# Altium PCB PCB1.PcbDoc (part 2 of 2)
Units mil, origin at the board's own origin, x right, y up, seen from the top; angles counter-clockwise.
Board outline 3937.01 x 3937.01 mil, 4 copper layers (Top Layer, Layer 1, Layer 2, Bottom Layer), stack 23.756 mil thick; 233 components, 112 nets, 705 pads, 549 vias.
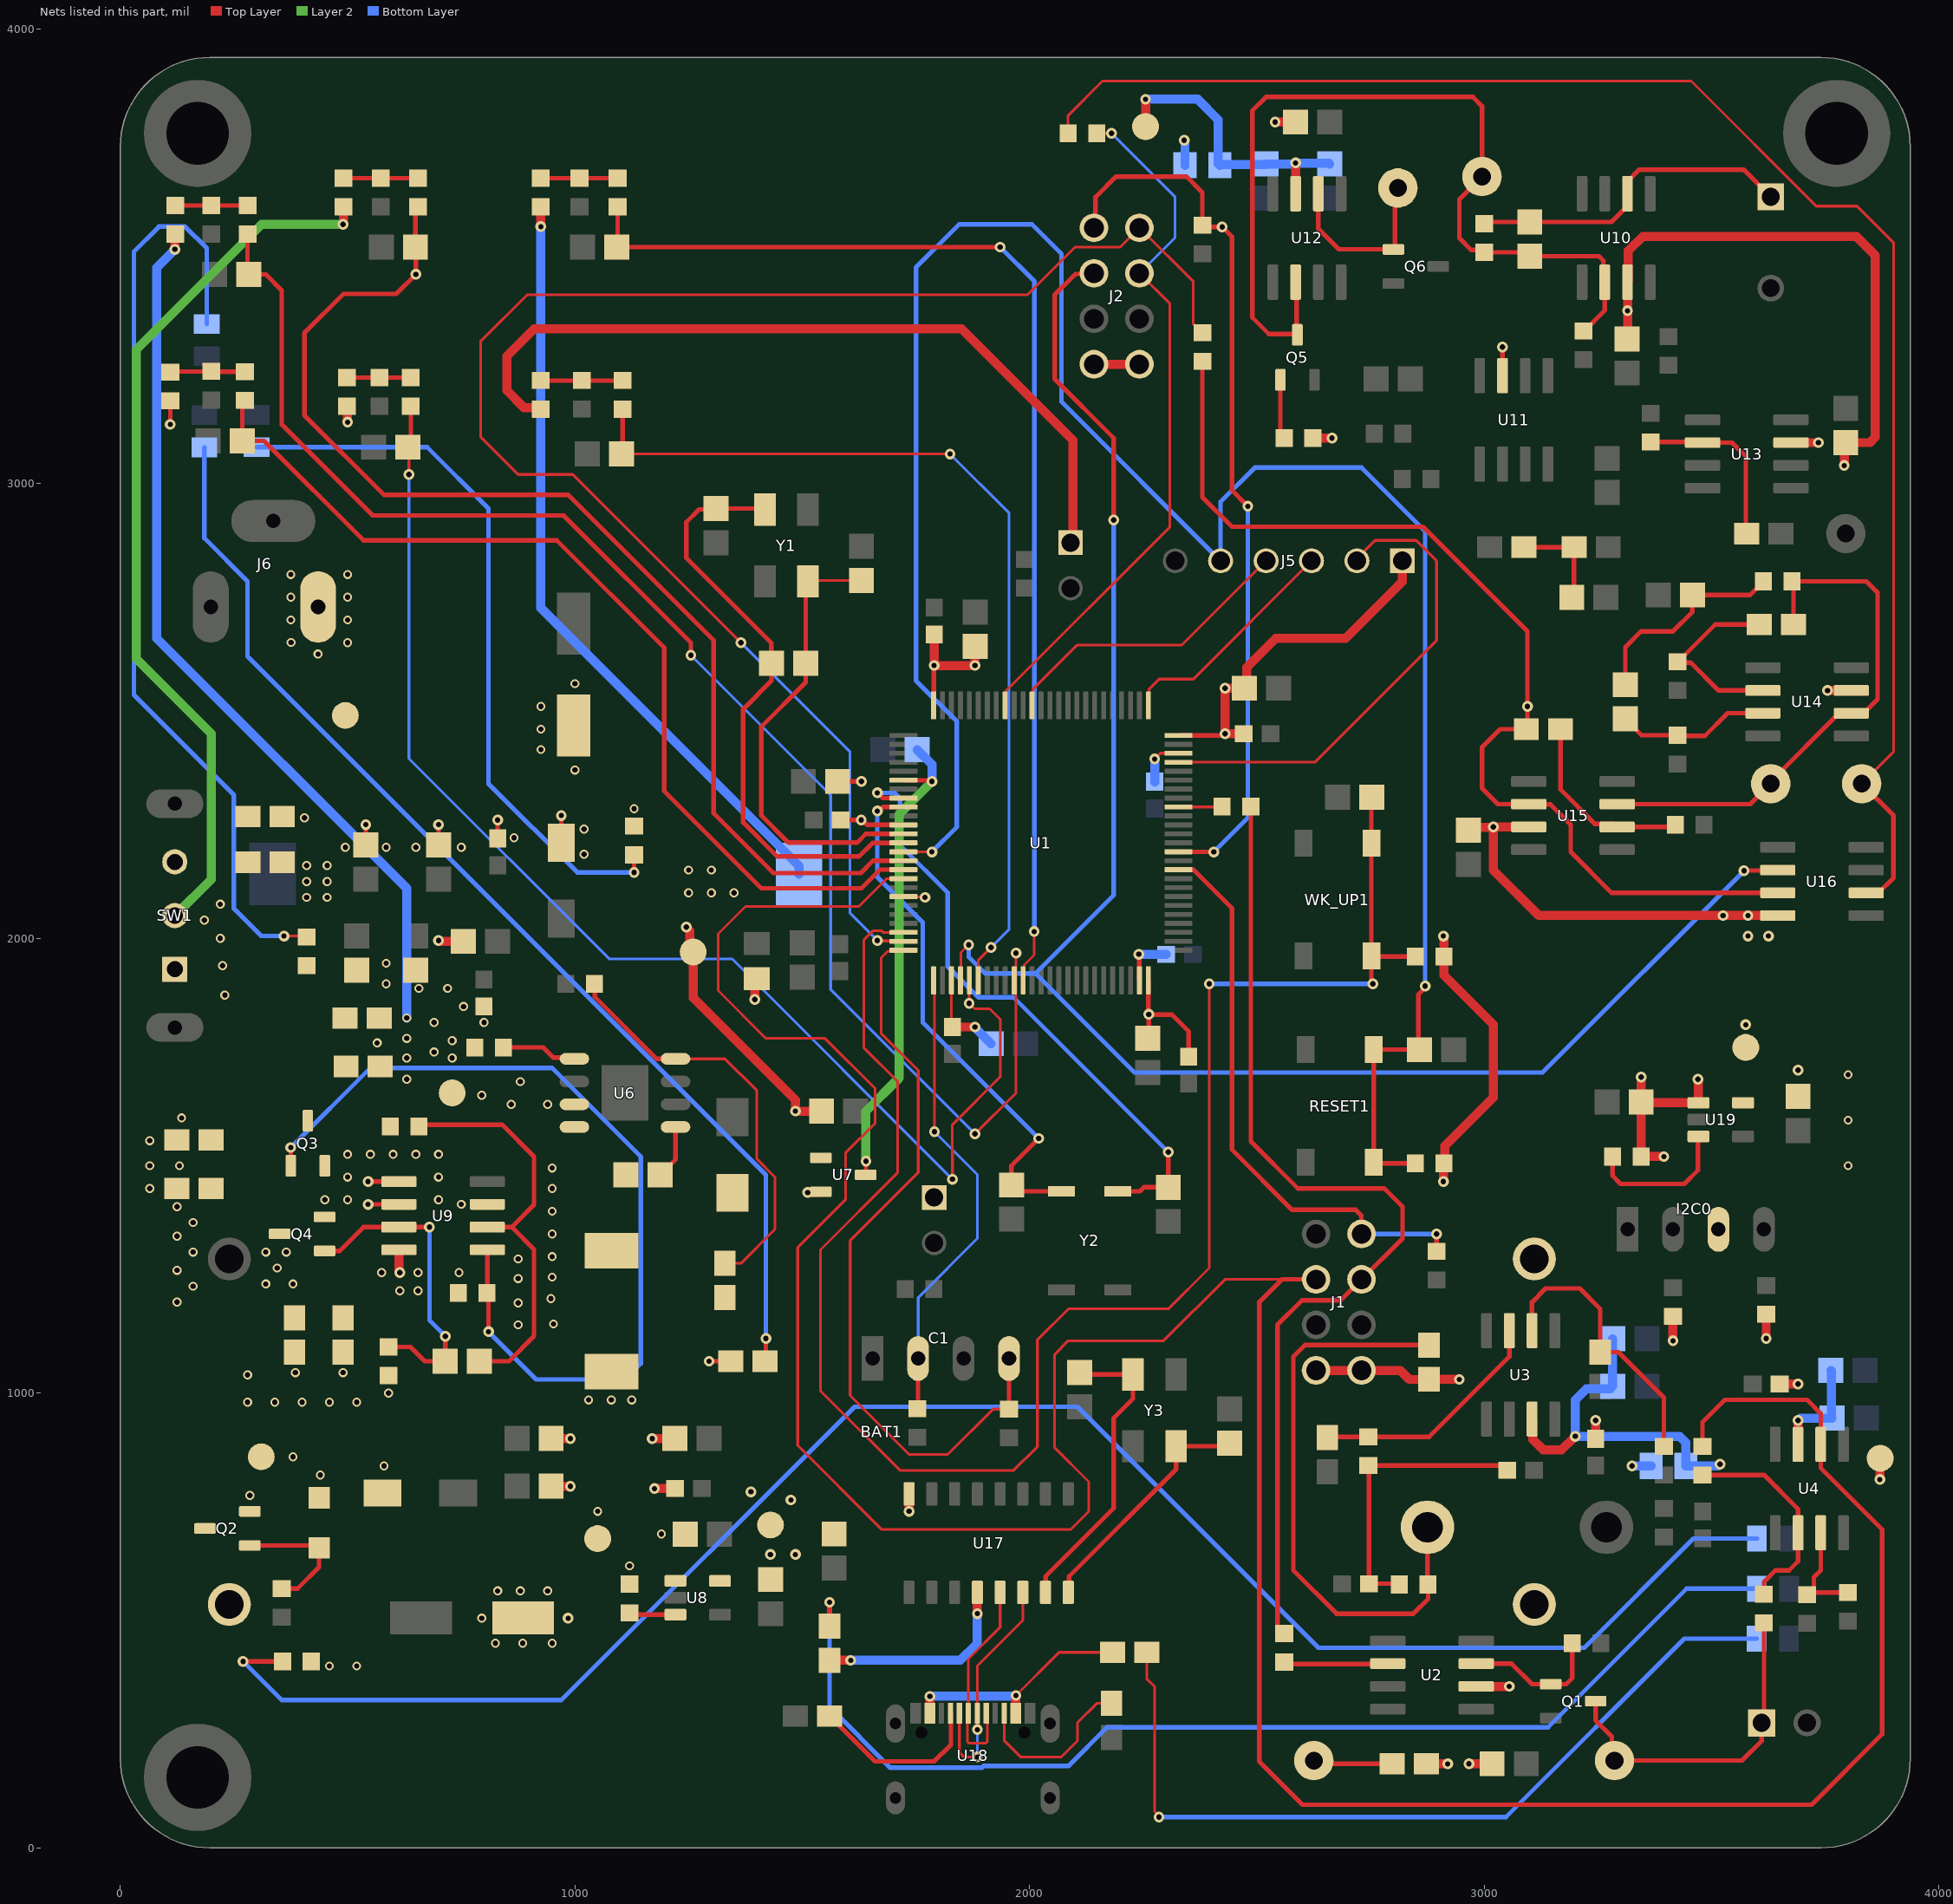
[diagram p4: the nets of this part, all layers, seen from the top]

## Via types
v1: diameter 23.62/23.62/23.62/23.62 (per signal layer), hole 11.81, Top Layer to Bottom Layer, tented both sides, 242 vias
v2: diameter 19.68, hole 11.81, Top Layer to Bottom Layer, tented both sides, 162 vias
v3: diameter 23.62, hole 11.81, Top Layer to Bottom Layer, tented both sides, 111 vias
v4: diameter 23.62, hole 11.81, Top Layer to Bottom Layer, 25 vias
v5: diameter 19.68, hole 7.87, Top Layer to Bottom Layer, 6 vias
v6: diameter 19.68/19.68/19.68/19.68 (per signal layer), hole 11.81, Top Layer to Bottom Layer, tented both sides, 3 vias

## Nets (pads, with @x,y where several pads share a name; then routed paths per layer and width w, separated by ;. In a path a pad name is that pad's centre, name@x,y a point inside that pad or via, vN(x,y) a via of type N, cw(c..) or ccw(c..) an arc to the next point about the centre after c; other vN are vias at no path point) (continued)
LED_ISENSE_P: C10.1 C11.1 R12.2 R18.1 | length 637.9
  Top Layer w10: R12.2@2813.28,579.26 2811.71,580.83 C10.1@2746.31,580.83 2746.31,839.39 R18.1@2745.03,840.66 3039.81,840.66 C11.1@3050.47,830
LED_ISENSE_P_R: R11.1 R12.1 R14.2 | length 1286.3
  Top Layer w10: R14.2@2875,705 2875,580.53 R12.1@2876.27,579.26 2876.27,547.13 2844.14,515 2675,515 2580,610 2580,1080 2605.7,1105.7 R11.1@2878.33,1105.7
LED_VSENSE: J1.6 R20.2 U1.17 U4.6 | length 7285.9
  Top Layer w6: U1.17@1722.64,2131.26 1722.13,2130.75 1684.79,2130.75 1624.04,2070 1375,2070 1315,2010 1315,1885 1420,1780 1550,1780 1660,1670 1660,1593.14 1595,1528.14 1595,1425 1490,1320 1490,885 1675,700 2090,700 2130,740 2130,805 2055,880 2055,1085 2085,1115 2294.79,1115 2429.79,1250 2555,1250
  Top Layer w10: J1.6@2630,1250 2555,1250 2505,1200 2505,190 2600,95 3720,95 3875,250 3875,700 3740,835 U4.6@3740,887.24 3740,955 3710,985 3528.95,985 3480,936.05 R20.2@3480,882.99
LED_VSENSE_N: CR1.K Q1.3 R21.1 TP2.1 | length 751.4
  Top Layer w10: Q1.3@3244.89,322.62 3244.89,280.11 3280.61,244.39 3280.61,197.75 TP2.1@3286.42,191.94 3290,191.94 3566.94,191.94 3610,235 CR1.K@3610,275 3615,280 R21.1@3615,495
LED_VSENSE_N_R: R20.1 R21.2 U4.2 | length 476.7
  Top Layer w10: R20.1@3480,820 3615,820 3690,745 U4.2@3690,692.76 3690,630 3670,610 3640,610 3615,585 R21.2@3615,557.99
LED_VSENSE_P_R: R22.2 R23.2 U4.3 | length 211.6
  Top Layer w10: U4.3@3740,692.76 3740,610 3725,595 3725,562.99 3726.5,561.5 R23.2@3800,561.5
LPF_FB: C43.2 C44.1 R51.1 | length 468.5
  Top Layer w10: C44.1@3310,2557.6 3310,2640 3345,2675 3415,2675 3457.6,2717.6 C43.2@3457.6,2755 3584.49,2755 3613.5,2784.01 R51.1@3613.5,2785
LPF_FB_R: R51.2 R57.2 TP11.1 U14.6 U15.3 | length 1200.6
  Top Layer w10: U15.3@3292.24,2295 3585,2295 TP11.1@3630,2340 3630,2344.72 3780.28,2495 3834.21,2495 3865,2525.79 3865,2760 3840,2785 R51.2@3676.5,2785 3680,2781.49 R57.2@3680,2690
LPF_IN: C44.2 R55.2 U14.3 | length 339
  Top Layer w10: C44.2@3310,2482.4 3345.91,2446.5 R55.2@3425,2446.5 3426.5,2445 3485,2445 3535,2495 U14.3@3612.76,2495
NetBAT1_1-: BAT1.1- BAT1.2-
NetC13_1: C13.1 U6.1 | length 119.3
  Top Layer w10: C13.1@1187.56,1479.65 1221.22,1513.3 U6.1@1221.22,1585
NetC13_2: C13.2 D2.2 L1.1 U6.8
NetC29_1: C29.1 R35.1 U9.2 | length 919.6
  Top Layer w10: R35.1@651.5,1590 840,1590 910,1520 910,1413.98 861.02,1365 ; C29.1@790,1070 855,1070 910,1125 910,1316.02 861.02,1365 ; U9.2@807.24,1365 834.21,1365 861.02,1365
NetC29_2: C29.2 Q4.1 R43.1 U9.7 | length 699.7
  Top Layer w10: Q4.1@449.41,1312.6 482.6,1312.6 535,1365 U9.7@612.76,1365 v3(680,1365) ; R43.1@590,1101.5 638.5,1101.5 670,1070 C29.2@714.8,1070 715,1070.2 v3(715,1125)
  Bottom Layer w10: v3(680,1365) 680,1160 v3(715,1125)
NetC41_1: C41.1 R52.2 R53.1 | length 222.2
  Top Layer w10: R52.2@3087.24,2860 R53.1@3197.4,2860 3197.4,2755 C41.1@3192.4,2750
NetC80_2: C80.2 U1.49 | length 118.5
  Top Layer w10: v3(2240,1965) 2241.02,1963.98 2241.02,1908.15 U1.49@2241.54,1907.64
  Bottom Layer w20: v3(2240,1965) C80.2@2300.47,1965
NetC81_2: C81.2 U1.73 | length 107.4
  Top Layer w6: v4(2275,2394.38) 2275.22,2394.38 2287.7,2406.85 U1.73@2327.36,2406.85
  Bottom Layer w20: C81.2@2275,2344.53 v4(2275,2394.38)
NetPW_3V3_S0_A: PW_3V3_S0.A R42.2 | length 2540.5
  Top Layer w10: R42.2@1560,487.6 v3(1560,540)
  Bottom Layer w10: v3(1560,540) 1560,310 1693.81,176.19 1894.86,176.19 1898.67,180 2085,180 2170,265 3140,265 3445,570 PW_3V3_S0.A@3599.57,570
NetPW_5VS0_A: PW_5VS0.A R39.2 | length 2522.1
  Top Layer w10: R39.2@1417.6,1070 1420,1072.4 v4(1420,1120)
  Bottom Layer w10: PW_5VS0.A@185,3079.57 185,2880 280,2785 280,2620 1420,1480 v4(1420,1120)
NetPW_IN0_A: PW_IN0.A R37.2 | length 1610.2
  Top Layer w10: v3(1130,2145) R37.2@1130,2183.5
  Bottom Layer w10: PW_IN0.A@300,3080 675,3080 810,2945 810,2340 1005,2145 v3(1130,2145)
NetPW_IN_BU0_A: PW_IN_BU0.A R44.2 | length 4037.9
  Top Layer w10: v3(270,410) R44.2@357.01,410
  Bottom Layer w10: v3(270,410) 355,325 970,325 1615,970 2105,970 2635,440 3220,440 3460,680 PW_IN_BU0.A@3599.57,680
NetPW_MAIN0_A: PW_MAIN0.A R38.2 | length 2091
  Top Layer w6: v3(360,2005) 407.99,2005 R38.2@410,2002.99
  Bottom Layer w10: PW_MAIN0.A@190,3350.87 190,3517.7 142.7,3565 85,3565 30,3510 30,2535 250,2315 250,2065 310,2005 v3(360,2005)
NetPW_USB0_A: PW_USB0.A R61.2 | length 1850.6
  Top Layer w6: R61.2@2257.6,430 2257.6,371.8 2275,354.4 2275,80 2284.57,70.43 v3(2284.57,67.67)
  Bottom Layer w10: v3(2284.57,67.67) 3047.67,67.67 3440,460 PW_USB0.A@3599.13,460
NetQ2_1: Q2.1 R25.2 U5.1 | length 298.5
  Top Layer w10: Q2.1@285,665 432.27,665 U5.1@437.69,659.58 ; R25.2@355,570 390,570 437.13,617.13 U5.1@437.13,659.02
NetQ3_1: Q3.1 R36.1 U9.1 | length 1993.1
  Top Layer w10: v3(375,1540) 375.1,1539.9 375.1,1500.1 Q3.1@375.2,1500 ; U9.1@807.24,1315 807.24,1220.75 R36.1@806.5,1220 810,1216.5 v3(810,1135)
  Bottom Layer w10: v3(375,1540) 550,1715 950,1715 1145,1520 1145,1065 1110,1030 915,1030 v3(810,1135)
NetQ5_1: Q5.1 R50.2 | length 131.6
  Top Layer w10: Q5.1@2551.61,3228.09 2551.61,3108.39 R50.2@2560,3100
NetQ6_1: Q6.1 TP9.1 U12.6 | length 401.9
  Top Layer w10: U12.6@2635,3637.24 2635,3560 2680.02,3514.98 Q6.1@2803.21,3514.98 ; Q6.1@2803.39,3514.98 2803.39,3643.39 TP9.1@2810,3650
NetR13_2: R13.2 TP1.1 | length 182.4
  Top Layer w10: TP1.1@2614.76,185 R13.2@2797.2,185
NetR24_2: R24.2 U6.5 | length 166.1
  Top Layer w10: R24.2@842.99,1760 930,1760 952.02,1737.98 995.8,1737.98 U6.5@998.78,1735
NetR33_1: R33.1 U8.3 | length 102.6
  Top Layer w10: R33.1@1120,517.01 1124.02,512.99 U8.3@1220.98,512.99
NetR54_1: R54.1 R56.2 U13.2 | length 390.7
  Top Layer w10: R56.2@3368.31,3091.47 3478.53,3091.47 U13.2@3480,3090 3545,3090 3575,3060 3575,2892.4 R54.1@3577.4,2890
NetR57_1: R57.1 R58.2 U14.2 | length 426.6
  Top Layer w10: R58.2@3425,2607.99 R58.2@3425.98,2607.99 ; R57.1@3604.8,2690 3507.99,2690 R58.2@3425.98,2607.99 ; U14.2@3612.76,2545 3515,2545 3453.83,2606.17 3427.8,2606.17 R58.2@3425.98,2607.99
NetR59_1: R59.1 R60.2 U15.2 | length 421.2
  Top Layer w10: R59.1@3167.6,2460 3167.6,2327.4 3243.59,2251.41 3285.83,2251.41 U15.2@3292.24,2245 3415,2245 R60.2@3420,2250
NetR62_2: R62.2 U18.B5 | length 383.1
  Top Layer w6: U18.B5@1943.9,296.02 1943.9,236.1 1980,200 2070,200 2105,235 2105,275 2147.6,317.6 R62.2@2180,317.6
NetR63_2: R63.2 U18.A5 | length 394.9
  Top Layer w10: R63.2@1560,290 1563.94,290 1582.56,271.38 1582.56,267.44 1660,190 1790,190 1826.69,226.69 U18.A5@1826.69,296.02
NetR64_1: R64.1 R67.1 R70.2 | length 168.9
  Top Layer w10: R64.1@925,3671.5 R70.2@1010,3671.5 R67.1@1093.86,3671.5
NetR65_1: R65.1 R68.1 R71.2 | length 164.9
  Top Layer w10: R65.1@110.11,3244.83 111.77,3246.5 R71.2@200,3246.5 200.76,3245.74 R68.1@274,3245.74
NetR66_1: R66.1 R69.1 R72.2 | length 164
  Top Layer w10: R66.1@491,3671.5 R69.1@655,3671.5
NetR73_1: R73.1 R74.1 R75.2 | length 159
  Top Layer w10: R73.1@121,3611.5 R74.1@280,3611.5
NetR76_1: R76.1 R78.1 R80.2 | length 140.5
  Top Layer w10: R76.1@498.5,3232.99 R80.2@570,3232.99 R78.1@639,3232.99
NetR77_1: R77.1 R79.1 R81.2 | length 180
  Top Layer w10: R77.1@925,3226.5 R81.2@1015,3226.5 R79.1@1105,3226.5
NetR82_1: R82.1 U19.3 | length 324.5
  Top Layer w10: R82.1@3282.01,1520 3282.01,1477.99 3300,1460 3440,1460 3470,1490 3470,1563.23 U19.3@3470.98,1564.21
NRST: C7.2 J5.05 R9.1 RESET1.2 U1.14 | length 4870.8
  Top Layer w6: U1.14@1722.64,2190.32 1722.8,2190.16 1785,2190.16 v3(1785.16,2190)
  Top Layer w10: R9.1@2848.5,1505 2759.37,1505 RESET1.2@2756.93,1507.44 RESET1.2@2756.93,1755.47 C7.2@2856.93,1755.47 ; C7.2@2857.4,1755 C7.2@2856.93,1755.47 ; v3(2870,1895) 2870,1891.31 2855,1876.31 2855,1757.4 C7.2@2856.93,1755.47
  Bottom Layer w10: v3(1785.16,2190) 1840,2244.84 1840,2476.85 1750,2566.85 1750,3475 1845,3570 2005,3570 2070,3505 2070,3180 J5.05@2420,2830 2420,2960 2495,3035 2730,3035 2870,2895 v3(2870,1895)
OPA_ISENSE_N: R16.1 R17.2 U3.2 | length 627.6
  Top Layer w10: U3.2@3105,1137.24 3105,1200 3135,1230 3210,1230 3255,1185 R16.1@3255,1090.2 3294.8,1090.2 3395,990 R17.2@3395,882.5
OPA_ISENSE_P: R18.2 R19.2 U3.3 | length 531.1
  Top Layer w10: R19.2@2654.72,902.27 2656.1,903.66 2878.66,903.66 3055,1080 U3.3@3055,1137.24
OSC_8MHZ_IN: C4.2 R10.2 U1.12 Y1.1 | length 1021.2
  Top Layer w6: Y1.1@1512.5,2785.09 1514.51,2787.1 C4.2@1630,2787.1
  Top Layer w10: Y1.1@1512.5,2785.09 1507.55,2780.14 R10.2@1507.55,2604.95 1507.55,2562.55 1410,2465 1410,2270 1469.56,2210.44 1620.44,2210.44 1639.68,2229.68 U1.12@1722.64,2229.68
OSC_8MHZ_OUT: C9.2 R10.1 U1.13 Y1.3 | length 1346.2
  Top Layer w10: Y1.3@1418.01,2942.57 1415.39,2945.2 C9.2@1310,2945.2 1308.1,2943.3 1273.3,2943.3 1245,2915 1245,2836.21 1431.78,2649.43 1431.78,2605.52 R10.1@1432.35,2604.95 1432.35,2566.36 1370,2504.01 1370,2255 1445,2180 1625,2180 1654.49,2209.49 1722.13,2209.49 U1.13@1722.64,2210
OSC_32_IN: C5.1 U1.8 Y2.4 | length 1377.4
  Top Layer w10: v3(1665,2320) 1665.58,2320 1677.15,2308.43 U1.8@1722.64,2308.43 ; Y2.4@2194.02,1443.73 2242.65,1443.73 2251.52,1452.6 C5.1@2305,1452.6 v3(2305,1530)
  Bottom Layer w10: v3(1665,2320) 1703.42,2320 1715,2308.42 1715,2205 1820,2100 1820,1937.7 1887.28,1870.42 1964.58,1870.42 v3(2305,1530)
OSC_32_OUT: C8.1 U1.9 Y2.1 | length 1171.3
  Top Layer w10: v3(1665,2280) 1668.67,2280 1677.41,2288.74 U1.9@1722.64,2288.74 ; v3(2020,1560) 1960,1500 C8.1@1960,1457.6 1973.86,1443.73 Y2.1@2070,1443.73
  Bottom Layer w10: v3(1665,2280) 1665,2135 1765,2035 1765,1815 v3(2020,1560)
PWR_3V3_AFE: 3V3_A.1 C54.1 C55.1 C57.1 C58.1 C59.1 C60.1 C62.1 I2C0.3 R89.2 R90.2 U10.7 U11.7 U13.7 U14.7 U15.7 U16.4 U19.5 | length 2598.7
  Top Layer w10: U11.7@3040,3237.24 v3(3040,3300)
  Top Layer w20: v3(2540,3795) C59.1@2585,3795 ; C55.1@2965,2237.6 2971.71,2244.31 3019.31,2244.31 v3(3020,2245) ; U15.7@3097.76,2245 v3(3020,2245) ; C60.1@3245,899.53 v3(3245,940) ; C54.1@3315,3318.84 v3(3315,3380) U10.7@3315,3442.76 3316.54,3444.29 3316.54,3511.54 3348.47,3543.47 3818.31,3543.47 3860,3501.78 3860,3101.72 3848.28,3090 C57.1@3795,3090 ; v4(3415,1115) R90.2@3415,1168.5 ; v4(3620,1120) R89.2@3620,1173.5 ; U16.4@3645.51,2050 v3(3580,2050) 3120,2050 3020,2150 v3(3020,2245) ; C58.1@3649.53,1020 v3(3690,1020) ; U13.7@3674.49,3090 v4(3735,3090) ; v3(3755,2545) U14.7@3807.24,2545 ; v4(3791.69,3039.64) 3792.38,3040.33 3792.38,3087.38 C57.1@3795,3090 ; C57.1@3792.48,3087.48 C57.1@3795,3090
  other v3: 3690,1710 3575,1810 3580,2005 3625,2005 3525,2050
  other v6: 3800,1500 3800,1600 3800,1700
PWR_3V3_SYS: 3V3_S.1 C28.1 C30.1 C31.1 C32.1 C33.1 C34.1 C35.1 C36.1 C37.1 C38.1 C39.1 C93.1 FB1.1 J3.01 J4.01 J5.01 R8.2 R9.2 R42.1 R77.2 U1.11 U1.19 U1.28 U1.50 U1.75 U1.100 U7.2 U8.5 U17.4 U17.16 | length 4782.7
  Top Layer w6: U1.19@1722.64,2091.89 1723.58,2090.94 1769.06,2090.94 v4(1770,2090) ; U1.28@1828.15,1907.64 1828.15,1806.85 C38.1@1830,1805
  Top Layer w10: C35.1@1577.6,2345 v3(1630,2345) ; C36.1@1584.53,2260 v3(1629.53,2260) 1630.8,2258.72 1633.35,2258.72 1642.2,2249.88 1722.13,2249.88 U1.11@1722.64,2249.37 ; U1.100@1788.78,2512.36 1789.29,2512.87 v3@1789.29,2599.29 ; C39.1@2260,1780.2 2262.24,1782.44 v3(2262.24,1832.88) 2263.05,1832.07 2312.93,1832.07 2350,1795 C30.1@2350,1739.53 ; v3@2261.22,1831.22 U1.50@2261.22,1907.64 ; U1.75@2327.36,2446.22 2422.53,2446.22 2426.31,2450 v3(2430,2450)
  Top Layer w20: R77.2@925,3163.5 921.34,3167.16 887.84,3167.16 850,3205 850,3280 910,3340 1850,3340 2095,3095 2095,2875 J3.01@2090,2870 ; v3(1395.69,1865.69) 1395.69,1907.39 FB1.1@1400,1911.69 ; v3(1511.81,1440.98) 1512.5,1441.68 1539.67,1441.68 U7.2@1540.59,1442.6 ; R42.1@1560,412.4 v3(1606.62,412.4) ; v3(1735,740) U17.16@1735,778.27 ; v3@1789.29,2599.29 v3(1790,2600) ; C34.1@1790,2660 v3(1790,2600) ; C38.1@1830,1805 v3(1880,1805) ; C33.1@1880,2641.93 v3(1880,2600) v3(1790,2600) ; v3(1885,515) U17.4@1885,561.73 ; C32.1@2470.94,2450 v3(2430,2450) v3(2430,2550) C31.1@2472.4,2550 2477.56,2555.16 2477.56,2595.84 2541.72,2660 2695,2660 2819.35,2784.35 2819.35,2829.35 J5.01@2820,2830 ; v3(2910,1465) 2910.69,1465.69 2910.69,1504.19 R9.2@2911.5,1505 2912.97,1506.47 2912.97,1542.97 3020,1650 3020,1810 2911.5,1918.5 R8.2@2911.5,1960 2911.5,2002.52 2910,2004.02 v3(2910,2005)
  Bottom Layer w20: v3(1606.62,412.4) 1847.4,412.4 1884.31,449.31 1884.31,514.31 v3(1885,515) ; v3(1880,1805) 1880.69,1804.31 1880.69,1803.03 C37.1@1915.44,1768.28
  other v3: 1430,645 1485,645 1475,765 1387.13,782.87
PWR_5V_SYS: 5V.1 C14.1 C18.1 C19.1 C20.1 C21.1 C27.1 C56.1 C61.1 FB2.1 FB3.1 J1.1 J1.2 J2.1 J2.2 L1.2 R11.2 R13.1 R26.2 R33.2 R39.1 R50.1 R76.2 R82.2 U2.6 U8.1 U19.1 | length 1401.7
  Top Layer w10: v3(1295,1070) R39.1@1342.4,1070
  Top Layer w20: R76.2@498.5,3170 499.31,3169.19 499.31,3135.69 v3(500,3135) ; C14.1@886.08,505.71 C14.1@886.79,505 ; C19.1@947.6,795.51 947.85,795.26 989.74,795.26 v3(990,795) ; C18.1@947.6,900 v3(990,900) ; v3(1170,900) C20.1@1220,900 ; v3(1175,790) C21.1@1220.47,790 ; J2.2@2141.5,3262.29 J2.1@2241.5,3262.29 ; R50.1@2622.99,3100 v3(2665,3100) ; J1.2@2630,1050 J1.1@2730,1050 2815,1050 2835,1030 2877.83,1030 R11.2@2878.33,1030.5 2878.58,1030.25 2944.75,1030.25 v3(2945,1030) ; R13.1@2872.4,185 2872.57,184.84 2919.37,184.84 v3(2919.53,184.67) ; v3(2966.26,185) C56.1@3017.13,185 ; U2.6@2982.24,355 v3(3055,355) ; v3(3345,1695) C61.1@3345,1640 ; v3(3395,1520) R82.2@3345,1520 C61.1@3345,1640 ; v3(3470,1690) 3470.49,1689.51 U19.1@3470.49,1638.72 ; U19.1@3470.98,1638.23 U19.1@3470.49,1638.72 ; C61.1@3345,1640 3345.89,1639.11 3470.1,1639.11 U19.1@3470.49,1638.72
  Bottom Layer w20: v4(2340,3755) 2340,3754.02 2341.69,3752.33 FB3.1@2341.69,3700 ; v4(3325,840) FB2.1@3366.69,840
  other v2: 825,450 885,450 950,450 795,505 830,565 880,565 940,565 1120,620 1190,690 1050,740 1030,985 1080,985 1125,985
  other v3: 985,505
PWR_BU: 7V4.1 D1.2 Q2.2 R30.1 R31.1 R36.2 R40.1 R41.1 R43.2 R44.1 R73.2 U5.2 U9.8 | length 2019.2
  Top Layer w20: v3(120,3515) 120.5,3515.5 120.5,3548.01 R73.2@121,3548.5 ; U9.8@612.76,1315 612.76,1268.22 615,1265.98 v3(615,1265)
  Bottom Layer w20: v3(120,3515) 80,3475 80,2660 630,2110 v2(630,1825)
  other v2: 460,400 520,400 285,775 440,820 580,840 380,860 280,980 340,980 400,980 460,980 520,980 590,1000 280,1040 385,1045 490,1045 615,1225 655,1225 575,1265 655,1265 745,1265 630,1690 630,1736.84 565,1770 630,1780
PWR_BU_3V: 3V.1 C26.1 R64.2 U7.1 VBAT1.1 | length 2264
  Top Layer w20: v3(925,3565) R64.2@925,3608.5 ; v3(1244.85,2024.85) 1244.85,2023.87 1252.53,2016.19 1252.53,1977.47 3V.1@1260,1970 1260,1869.51 1485,1644.51 v3(1485,1620) C26.1@1542.4,1620
  Bottom Layer w20: v3(925,3565) 925,2726.78 1492.68,2159.11 VBAT1.1@1492.68,2141.39
  other v2: 1250,2100 1300,2100 1350,2100 1250,2150 1300,2150
PWR_BU_IN: BAT1.1+ Q2.3
PWR_BU_OR: Q4.3 R40.2 R41.2 U9.6 | length 67.8
  Top Layer w10: v3(545,1415) U9.6@612.76,1415
  other v2: 320,1240 380,1240 345,1275 320,1310 365,1310
PWR_BU_R: R30.2 R31.2 SW1.1
PWR_MAIN: 9V.1 C22.1 C23.1 C24.1 C25.1 D3.2 J6.4 R28.1 R29.1 R32.1 R34.1 R37.1 R65.2 U9.5 | length 309.7
  Top Layer w10: v3(110,3130) 110,3181.73 R65.2@110.11,3181.84 ; C24.1@540,2205.2 v3(540,2250) ; v3(545,1465) U9.5@612.76,1465 ; C23.1@700,2205.2 v3(700,2250) ; C25.1@830,2219.53 v3(830,2260) ; D3.2@970,2210 v3(970,2270)
  other v2: 875,1150 952.94,1152.05 875,1198.16 125,1200 947.06,1207.94 160,1235 875,1251.84 875,1251.84 950,1255 950,1255 125,1270 875,1295 950,1300 160,1310 125,1345 950,1350 160,1375 950,1400 125,1410 65,1450 950,1450 950,1450 950,1495 65,1500 130,1500 65,1555 135,1605 410,2090 455,2090 410,2125 455,2125 410,2160 455,2160 1020,2185 495,2200 585,2200 650,2200 750,2200 866.11,2221.11 1020,2240 405,2265 1130,2285 1000,2370 925,2415 925,2460 925,2510 1000,2560 435,2625 375.44,2650.44 500,2650 375,2700 500,2700 375,2750 500,2750 375,2800 500,2800
PWR_MAIN_OR: Q3.3 R32.2 R34.2 R35.2
PWR_MAIN_R: R28.2 R29.2 SW1.3
PWR_MAIN_SYS: C15.1 C16.1 C17.1 C91.1 MAIN.1 Q3.2 Q4.2 R24.1 R38.1 R66.2 SW1.2 U6.7 U9.3 | length 2008.8
  Top Layer w20: v3(490,3570) 490.5,3570.5 490.5,3608.01 R66.2@491,3608.5 ; v4(700,1995) 700.98,1995 702.63,1993.35 C16.1@754.29,1993.35
  Layer 2 w20: SW1.2@120,2050 199.99,2129.99 199.99,2450.01 35,2615 35,3294.26 310.74,3570 v3(490,3570)
  other v2: 750,1415 450,1425 500,1425 700,1425 500,1475 700,1475 500,1525 550,1525 600,1525 650,1525 700,1525 860,1635 940,1635 795,1655 880,1685 730,1736.84 690,1750 730,1775 690,1815 800,1815 755,1850 230,1875 656.84,1890 720,1890 585,1900 225,1940 585,1945 220,2000 185,2040 220,2075
PWR_OPA: 5V_F1.1 C85.1 C86.1 C87.1 C88.1 FB2.2 U3.7 U4.7 | length 1099.8
  Top Layer w20: U3.7@3105,942.76 3106.81,940.94 3106.81,898.19 3130,875 3170,875 v4(3200,905) ; U4.7@3690,887.24 v4(3690,940) ; v4(3870,810) 3870.42,810.42 3870.42,856.27 5V_F1.1@3870.85,856.69
  Bottom Layer w20: C88.1@3282.4,1119.49 C87.1@3282.4,1015 3277.24,1009.84 3224.84,1009.84 3200,985 v4(3200,905) 3430,905 3443.31,891.69 FB2.2@3443.31,840 3513.7,840 3517.52,843.81 v4(3518.5,843.81) ; v4(3690,940) 3690.98,940 3695.98,945 C85.1@3764.8,945 3763.6,946.2 3763.6,1048.8 C86.1@3762.4,1050
PWR_OPA_TX: 5V_F2.1 C89.1 C90.1 FB3.2 U12.7 | length 652.5
  Top Layer w20: 5V_F2.1@2255,3785 v4(2255,3845) ; U12.7@2585,3637.24 v4(2585,3705)
  Bottom Layer w20: v4(2255,3845) 2370,3845 2415,3800 2415,3703.31 FB3.2@2418.31,3700 2419.61,3701.3 2518.7,3701.3 C90.1@2520,3702.6 2581.62,3702.6 2584.02,3705 v4(2585,3705) 2585.69,3704.31 2658.29,3704.31 C89.1@2660,3702.6
PWR_USB: R61.1 U18.A4_B9 U18.A9_B4 | length 518
  Top Layer w6: v3(1970,335) 2065,430 R61.1@2182.4,430
  Top Layer w20: U18.A4_B9@1780.51,296.02 1780.63,296.14 1780.63,333.07 v3(1780.75,333.19) ; U18.A9_B4@1969.49,296.02 v3@1969.49,335
  Bottom Layer w20: v3(1780.75,333.19) 1967.21,333.19 1969.02,335 v3(1970,335)
RX_OUT_A: R59.2 R91.1 U15.6 U16.3 | length 2336.7
  Top Layer w10: R91.1@2380,3268.5 2380,3260 2380,2970 2445,2905 2865,2905 3095,2675 v3(3095,2510) 3095,2462.6 R59.2@3092.4,2460 3035,2460 2995,2420 2995,2330 3030,2295 U15.6@3097.76,2295 3098.43,2294.32 3145.68,2294.32 3190,2250 3190,2190 3280,2100 U16.3@3645.51,2100
RX_OUT_A_S: J2.7 R91.2 U1.24 | length 3648.7
  Top Layer w6: v3(1365,2650) 995,3020 875,3020 792.49,3102.51 792.49,3312.49 895,3415 1995,3415 2100,3520 2199.21,3520 J2.7@2241.5,3562.29 2360,3443.79 2360,3350.52 2379.02,3331.5 R91.2@2380,3331.5 ; v3(1665,1995) 1665.77,1994.23 1721.87,1994.23 U1.24@1722.64,1993.46
  Bottom Layer w6: v3(1365,2650) 1605,2410 1605,2055 v3(1665,1995)
RX_OUT_D: R92.1 TP12.1 U16.6 | length 3562.1
  Top Layer w6: R92.1@2084.56,3769.86 2084.56,3809.56 2160,3885 3455,3885 3730,3610 3820,3610 3900,3530 3900,2410 TP12.1@3830,2340
  Top Layer w10: TP12.1@3830,2340 3900,2270 3900,2133.03 3866.97,2100 U16.6@3840,2100
RX_OUT_D_S: J2.5 R92.2 U1.92 | length 1558.5
  Top Layer w6: U1.92@1946.26,2512.36 1948.77,2514.87 1948.77,2544.74 2308.59,2904.56 2308.59,3395.2 J2.5@2241.5,3462.29 ; R92.2@2147.55,3769.86 2147.69,3770 v4(2180,3770)
  Bottom Layer w6: v4(2180,3770) 2320,3630 2320,3540.79 J2.5@2241.5,3462.29
RX_READY: J2.8 R5.2 U1.62 | length 1960.8
  Top Layer w10: J2.8@2141.5,3562.29 2145,3565.79 2145,3630 2190,3675 2345,3675 2380,3640 R5.2@2380,3567.99 2383.79,3564.2 2401.5,3564.2 v3(2423.5,3564.2) 2445,3542.7 2445,2985 v3(2480,2950) ; U1.62@2327.36,2190.32 2327.52,2190.16 2404.84,2190.16 v3(2405,2190)
  Bottom Layer w10: v3(2405,2190) 2480,2265 v3(2480,2950)
RX_REF: J2.6 U1.29 U16.2 | length 3904.8
  Top Layer w6: U1.29@1847.83,1907.64 1848.92,1908.72 1848.92,1969.01 1865.56,1985.66 v3(1865.95,1985.66)
  Top Layer w10: J2.6@2141.5,3462.29 2140.21,3461 2101,3461 2055,3415 2055,3230 2185,3100 v3(2185,2920) ; v3(3571.19,2148.49) 3571.94,2149.25 3644.76,2149.25 U16.2@3645.51,2150
  Bottom Layer w10: v3(1865.95,1985.66) 1866.16,1985.45 1866.16,1958.84 1902.14,1922.86 2012.86,1922.86 ; v3(2185,2920) 2185,2095 2012.86,1922.86 ; v3(3571.19,2148.49) 3127.7,1705 2230.72,1705 2012.86,1922.86
RX_S: C1.2 R2.1 U1.26 | length 1063.2
  Top Layer w6: C1.2@1754.65,1075.89 C1.2@1754.65,1095.35 ; U1.26@1788.78,1907.64 1790.6,1905.81 v4(1790.6,1574.76)
  Top Layer w10: C1.2@1754.65,1075.89 1754.65,965.35 R2.1@1760,960
  Bottom Layer w6: C1.2@1754.65,1075.89 1755,1076.24 1755,1210 1885,1340 1885,1480.36 v4(1790.6,1574.76)
SWCLK: J5.03 U1.76 | length 510.2
  Top Layer w6: U1.76@2261.22,2512.36 2262.36,2513.5 2262.36,2547.36 2285,2570 2360,2570 J5.03@2620,2830
SWDIO: J5.02 U1.72 | length 1068.8
  Top Layer w6: U1.72@2327.36,2387.17 2627.17,2387.17 2895,2655 2895,2830 2850,2875 2760,2875 2720,2835 J5.02@2720,2830
SWO: J5.04 U1.89 | length 665.6
  Top Layer w6: U1.89@2005.32,2512.36 2006.91,2513.96 2006.91,2546.91 2105,2645 2335,2645 J5.04@2520,2830
TIA_OUT: C40.2 Q5.3 R45.2 R47.1 TP8.1 U10.6 U12.2 | length 2034.5
  Top Layer w10: U12.2@2585,3442.76 2587.01,3440.75 Q5.3@2587.01,3328.92 ; Q5.3@2589.02,3326.91 Q5.3@2587.01,3328.92 ; R47.1@3218.4,3335.26 3219.38,3335.26 3265,3380.88 U10.6@3265,3442.76 3262.1,3445.66 3262.1,3489.93 3252.03,3500 C40.2@3100,3500 3091.5,3508.5 R45.2@3000,3508.5 2994.67,3513.83 2971.17,3513.83 2945,3540 2945,3625 TP8.1@2995,3675 2995,3830 2975,3850 2520,3850 2490,3820 2490,3365 2526.08,3328.92 Q5.3@2587.01,3328.92
TIA_V+: C40.1 PD1.C R45.1 U10.2 | length 735.6
  Top Layer w10: R45.1@3000,3571.5 3003.7,3575.2 C40.1@3100,3575.2 3279.92,3575.2 3315,3610.28 3315,3664.21 3341.02,3690.23 3570.16,3690.23 PD1.C@3630,3630.39
TX_DATA: R93.1 U2.2 | length 229.8
  Top Layer w10: R93.1@2560,408.5 2564.26,404.25 2787.01,404.25 U2.2@2787.76,405
TX_DATA_DR: Q1.1 R83.2 U2.7 | length 312
  Top Layer w10: U2.7@2982.24,405 3060,405 3104.98,360.02 3180.02,360.02 3193.5,373.5 R83.2@3193.5,450
TX_DATA_R: R4.1 U1.67 | length 96.7
  Top Layer w6: U1.67@2327.36,2288.74 2422.24,2288.74 R4.1@2423.5,2290
TX_DATA_S: J1.5 R4.2 R93.2 | length 2238.4
  Top Layer w10: R4.2@2486.5,2290 2486.5,1553.5 2590,1450 2780,1450 2820,1410 2820,1340 J1.5@2730,1250 2683.94,1203.94 2598.94,1203.94 2545,1150 2545,491.05 2545.32,490.74 2545.32,485.2 2559.02,471.5 R93.2@2560,471.5
TX_READY: J1.7 R3.2 U1.60 | length 1272.4
  Top Layer w10: U1.60@2327.36,2150.94 2327.87,2150.43 2360.57,2150.43 2445,2066.01 2445,1535 2577,1403 2717.09,1403 2729.45,1390.64 2729.45,1350.55 J1.7@2730,1350 ; R3.2@2895,1311.5 v3(2895,1350)
  Bottom Layer w10: J1.7@2730,1350 v3(2895,1350)
TX_S: C1.4 R1.1 U1.25 | length 1670
  Top Layer w6: U1.25@1722.64,1973.78 1720.72,1971.86 1688.42,1971.86 1673.23,1956.67 1673.23,1791.34 1755,1709.57 1755,1485 1605.23,1335.23 1605.23,994.75 1734.98,865 1820,865 1919.65,964.65 1947.64,964.65 R1.1@1954.64,964.65
  Top Layer w10: R1.1@1954.64,964.65 C1.4@1954.65,1075.89
USB_N: U17.6 U18.A7 U18.B7 | length 533.3
  Top Layer w6: U18.B7@1845.47,296.02 1845.47,209.53 1855,200 v4(1885,200) ; v4(1885,260) 1884.92,260.08 1884.92,295.94 U18.A7@1884.84,296.02 1884.84,399.84 1985,500 U17.6@1985,561.73
  Bottom Layer w6: v4(1885,200) v4(1885,260)
USB_P: U17.5 U18.A6 U18.B6 | length 468
  Top Layer w6: U18.B6@1904.53,296.02 1906.81,293.74 1906.81,233.51 1903.3,230 1866.7,230 1863.19,233.51 1863.19,294.06 U18.A6@1865.16,296.02 1865.16,415.16 1935,485 U17.5@1935,561.73
VBAT_BU: C70.1 U1.6 U7.3 | length 1071.6
  Top Layer w10: U7.3@1639.41,1480 1640,1480.59 v3(1640,1510) ; U1.6@1722.64,2347.8 1723.15,2347.28 1782.87,2347.28 v3(1785.16,2345)
  Layer 2 w20: v3(1640,1510) 1640,1620 1712.58,1692.58 1712.58,2272.42 v3(1785.16,2345)
  Bottom Layer w20: C70.1@1752.6,2415 1785.16,2382.44 v3@1785.16,2345.98
VMON_3V3_SYS: C53.1 R79.2 U1.31 | length 2061.2
  Top Layer w6: C53.1@1102.6,3065 v3(1825,3065) ; U1.31@1887.2,1907.64 1887.2,1952.2 v3(1915,1980)
  Top Layer w10: C53.1@1102.6,3065 1105,3067.4 R79.2@1105,3163.5
  Bottom Layer w6: v3(1825,3065) 1955,2935 1955,2020 v3(1915,1980)
VMON_5V_SYS: C52.1 R78.2 U1.30 | length 2885.4
  Top Layer w6: C52.1@632.6,3080 635,3077.6 v3(635,3020) ; v3(1830.27,1470.27) 1830.27,1534.92 1830,1535.19 1830,1590 1935.3,1695.3 1935.3,1822.22 1912.53,1845 1879.34,1845 1867.33,1857.01 v3(1867.01,1857.01) ; U1.30@1867.52,1907.64 1867.27,1907.38 1867.27,1858.78 v3@1868.02,1858.02
  Top Layer w10: C52.1@632.6,3080 639,3086.4 R78.2@639,3170
  Bottom Layer w6: v3(635,3020) 635,2395 1075,1955 1345.54,1955 v3(1830.27,1470.27)
VMON_BU: C51.1 R74.2 U1.35 | length 3375.1
  Top Layer w6: v3(1880,1570) 1970.06,1660.06 U1.35@1970.06,1878.32 ; U1.35@1965.94,1907.64 1965.94,1882.44 U1.35@1970.06,1878.32 ; v3(1970.06,1967.39) U1.35@1970.06,1878.32
  Top Layer w10: R74.2@280,3548.5 280,3462.27 C51.1@282.51,3459.76 320.24,3459.76 355.24,3424.76 355.24,3129.76 555,2930 975,2930 1255.06,2649.94 v3(1255.06,2622.39)
  Bottom Layer w6: v3(1255.06,2622.39) 1562.53,2314.93 1562.53,1887.47 v3(1880,1570)
VMON_BU_3V: C48.1 R67.2 U1.36 | length 2586.3
  Top Layer w6: U1.36@1985.63,1907.64 1988.12,1910.13 1988.12,1941.29 2010,1963.17 v3(2010,2015)
  Top Layer w10: R67.2@1093.86,3608.5 1093.86,3521.39 C48.1@1092.23,3519.76 1092.47,3520 v3(1935,3520)
  Bottom Layer w10: v3(1935,3520) 2010.62,3444.38 2010.62,2015.62 v3(2010,2015)
VMON_MAIN: C49.1 R68.2 U1.16 | length 2154.2
  Top Layer w10: R68.2@274,3182.75 268.52,3177.27 C49.1@268.52,3094 316,3094 535,2875 960,2875 1196.23,2638.77 1196.23,2323.77 1410,2110 1630,2110 1670.94,2150.94 U1.16@1722.64,2150.94
VMON_MAIN_SYS: C50.1 R69.2 U1.15 | length 2599.3
  Top Layer w10: R69.2@655,3608.5 649.18,3602.69 C50.1@649.18,3519.76 650,3518.93 v3(650,3460) 607,3417 490.89,3417 405,3331.11 405,3150 580,2975 985,2975 1305,2655 1305,2275 1436.67,2143.33 1628.33,2143.33 1655.63,2170.63 U1.15@1722.64,2170.63
VSENS_5V: R26.1 R27.2 U6.4 | length 933.3
  Top Layer w6: U6.4@1221.22,1735 1330,1735 1400,1665 1400,1515 1440,1475 1440,1360 1365.2,1285.2 R26.1@1330,1285.2
  Top Layer w10: R27.2@1042.99,1900 1043.83,1899.16 1043.83,1871.17 1180,1735 U6.4@1221.22,1735
WK_UP: C6.2 R8.1 U1.23 WK_UP1.2 | length 3955.7
  Top Layer w6: U1.23@1722.64,2013.15 1677.7,2013.15 1674.03,2016.81 1655.97,2016.81 1635,1995.85 1635,1760 1710,1685 1710,1485 1540,1315 1540,1005 1715,830 1965,830 2017,882 2017,1117 2085.19,1185.19 2305.19,1185.19 2395,1275 v3(2395,1900) ; R8.1@2832.8,1944.3 R8.1@2848.5,1960
  Top Layer w10: C6.2@2752.71,2310.07 2751.8,2309.16 WK_UP1.2@2751.8,2209.02 WK_UP1.2@2751.8,1960.98 ; v3(2755,1900) 2751.8,1903.2 WK_UP1.2@2751.8,1960.98 ; R8.1@2848.5,1960 2752.79,1960 WK_UP1.2@2751.8,1960.98
  Bottom Layer w10: v3(2395,1900) v3(2755,1900)
XI_12MHZ: C46.2 U17.7 Y3.1 | length 678.2
  Top Layer w10: U17.7@2035,561.73 2035,596.72 2185,746.72 2185,945 2227.5,987.5 Y3.1@2227.5,1040.86 2114.34,1040.86 C46.2@2110,1045.2
XO_12MHZ: C47.2 U17.8 Y3.3 | length 540.6
  Top Layer w10: U17.8@2085,561.73 2086.66,563.39 2086.66,596.66 2321.99,831.99 Y3.3@2321.99,883.38 2433.38,883.38 C47.2@2440,890
pads on no net: C1. I2C0. SW1.SH1 SW1.SH2 U1.1 U1.2 U1.3 U1.4 U1.5 U1.7 U1.32 U1.33 U1.34 U1.38 U1.39 U1.40 U1.41 U1.42 U1.43 U1.44 U1.45 U1.46 U1.51 U1.52 U1.53 U1.54 U1.55 U1.56 U1.57 U1.58 U1.59 U1.61 U1.63 U1.64 U1.65 U1.66 U1.68 U1.69 U1.70 U1.71 U1.77 U1.78 U1.79 U1.80 U1.81 U1.82 U1.83 U1.84 U1.85 U1.86 U1.87 U1.88 U1.90 U1.91 U1.93 U1.95 U1.96 U1.97 U1.98 U2.1 U2.4 U2.5 U2.8 U3.1 U3.5 U3.8 U4.1 U4.5 U4.8 U6.2 U6.3 U8.4 U10.1 U10.5 U10.8 U11.1 U11.5 U11.8 U12.1 U12.5 U12.8 U13.1 U13.5 U13.8 U14.1 U14.5 U14.8 U15.1 U15.5 U15.8 U16.1 U16.5 U16.8 U17.9 U17.10 U17.11 U17.12 U17.13 U17.14 U17.15 U18. U18.A8 U18.B8 U18.SH1 U18.SH2 U18.SH3 U18.SH4 U19.4 Y2.2 Y2.3
copper on no net: | length 103.5
  Top Layer w10: 195,911.5 195,1015
  other v2: 750,50 170,60 110,90 235,95 75,155 170,155 170,155 265,155 240,210 110,220 175,245 3625,1635 175,3680 3780,3680 105,3700 230,3700 3710,3700 3835,3700 80,3770 260,3770 3685,3770 3865,3770 105,3830 230,3830 3710,3830 3835,3830 170,3860 3775,3860

## Polygon pours and split planes (outlines as drawn)
PWR_3V3_SYS on Top Layer "Top Layer-PWR_3V3_SYS" (solid, remove dead copper, pour order 0): 1285,585 1300,570 1360,570 1370,560 1480,560 1500,580 1500,645.73 1514.27,660 1600,660 1600,725 1520,805 1382.65,805 1365,787.35 1365,660 1340,635 1300,635 1285,620
GND on Top Layer "GND_L01_P100" (solid, remove dead copper, pour order 100): 0,196.85 0,3740.16 cw(c196.85,3740.16) 196.85,3937.01 3740.16,3937.01 cw(c3740.16,3740.16) 3937.01,3740.16 3937.01,196.85 cw(c3740.16,196.85) 3740.16,0 196.85,0 cw(c196.85,196.85)
PWR_3V3_AFE on Top Layer "PWR_3V3_AFE_L01_P083" (solid, remove dead copper, pour order 83): 3550,2075 3825,2075 3850,2050 3850,1475 3825,1450 3550,1450 3525,1475 3525,2050
PWR_5V_SYS on Top Layer "PWR_5V_SYS_L01_P032" (solid, remove dead copper, pour order 32): 1250,1220 1280,1250 1375,1250 1395,1230 1395,1055 1270,930 1270,575 1260,565 1155,565 1135,545 1075,545 1045,515 1045,450 1026.2,431.2 808.8,431.2 768.12,471.88 768.12,643.12 800,675 880,675 915,710 915,1075 965,1125 1155,1125
PWR_BU_3V on Top Layer "PWR_BU_3V_L01_P003" (solid, remove dead copper, pour order 3): 1555,1675 1440,1675 1425,1660 1425,1525 1445,1505 1560,1505 1570,1515 1570,1660
PWR_BU_R on Top Layer "PWR_BU_R_L01_P005" (solid, remove dead copper, pour order 5): 150,1970 45.09,1970 20,1944.91 20,1735.09 80.09,1675 510,1675 525.09,1690.09 525.09,1849.91 515,1860 450.09,1860 420.09,1830 220.09,1830 175.09,1875 175.09,1944.91
NetC13_2 on Top Layer "Top Layer-NetC10_2" (solid, remove dead copper, pour order 45): 1395,1375 1395,1485 1380,1500 1295,1500 1285,1490 1285,1455 1270,1440 1155,1440 1140,1455 1140,1575 1115,1600 975,1600 965,1590 965,1275 985,1255 1150,1255 1165,1270 1165,1335 1190,1360 1380,1360
PWR_5V_SYS on Layer 2 "Layer 2-PWR_5V_SYS" (solid, remove dead copper, pour order 51): 445,3135 535,3045 1375,3045 1395,3025 1395,2945 1420,2920 2895,2920 2925,2890 2925,500 2900,475 1410,475 1385,500 1385,1090 1360.6,1114.4 699.4,1114.4 675,1090 675,50 700.4,24.6 3349.6,24.6 3385,60 3385,3270 3090,3565 2545,3565 2475,3635 2475,3855 2455,3875 475,3875 445,3845
PWR_3V3_AFE on Layer 2 "Layer 2-PWR_3V3_AFE" (solid, remove dead copper, pour order 35): 3900,945 3900,3600 3631.22,3880 2500,3880 2485,3865 2485,3640 2550,3575 3100,3575 3395,3280 3395,980 3240,980 3225,965 3225,915 3240,900 3855,900
PWR_3V3_SYS on Layer 2 "Layer 2-PWR_3V3_SYS" (solid, remove dead copper, pour order 88): 1360,1440 1395,1405 1395,510 1420,485 2895,485 2915,505 2910,510 2914.86,2800 2915,2800 2915,2880 2885,2910 1415,2910 1395,2890 1395,2230 1420,2205 1550,2205 1575,2180 1575,1600 1555,1580 1455,1580 1435,1600 1435,1880 1420,1895 1375,1895 1360,1880
PWR_MAIN on Layer 2 "Layer 2-PWR_MAIN" (solid, remove dead copper, pour order 77): 820,1525 820,1160 850,1130 1350,1130 1385,1165 1385,3015 1365,3035 525,3035 400,3160 105,3160 75,3130 75,2642 117,2600 325,2392 325,2105 360,2070 875,2070 900,2045 900,1705 920,1685 1045,1685 1060,1670 1060,1575 1045,1560 855,1560
PWR_OPA on Layer 2 "PWR_OPA_L03_P033" (solid, remove dead copper, pour order 33): 3875,975 3635,975 3550,890 3420,890 3395,865 3395,700 3430,665 3871,665 3900,694 3900,950
PWR_BU on Layer 2 "Layer 2-PWR_BU" (solid, remove dead copper, pour order 50): 25,382.5 57.5,350 630,350 665,385 665,1095 705,1135 790,1135 810,1155 810,1365 800,1375 665,1375 665,1835 640,1860 55,1860 25,1830
PWR_MAIN_SYS on Layer 2 "Layer 2-PWR_MAIN_SYS" (solid, remove dead copper, pour order 43): 450,1385 800,1385 810,1395 810,1530 850,1570 1045,1570 1060,1585 1060,1665 1045,1680 920,1680 900,1700 900,2040 875,2065 350,2065 315,2100 315,2115 305,2125 65,2125 45,2105 45,1900 75,1870 650,1870 675,1845 675,1625 645,1595 450,1595 425,1570 425,1410
PWR_BU_3V on Layer 2 "PWR_BU_3V_L03_P034" (solid, remove dead copper, pour order 34): 1550,1590 1460,1590 1445,1605 1445,1885 1425,1905 1235,1905 1225,1915 1225,2175 1245,2195 1540,2195 1565,2170 1565,1605
PWR_BU_OR on Layer 2 "PWR_BU_OR_L03_P036" (solid, remove dead copper, pour order 36): 565,1430 530,1430 ccw(c530,1420) 520,1420 520,1375 325,1375 300,1350 300,1205 330,1175 505,1175 540,1210 540,1290 575,1325 575,1420 ccw(c565,1420)
GND on Bottom Layer "GND_L04_P097" (solid, remove dead copper, pour order 97): 0,196.85 0,3740.16 cw(c196.85,3740.16) 196.85,3937.01 3740.16,3937.01 cw(c3740.16,3740.16) 3937.01,3740.16 3937.01,196.85 cw(c3740.16,196.85) 3740.16,0 196.85,0 cw(c196.85,196.85)
PWR_BU_3V on Bottom Layer "PWR_BU_3V_L04_P048" (solid, remove dead copper, pour order 48): 1550,2225 1250,2225 1225,2200 1225,2025 1250,2000 1550,2000
PWR_MAIN on Bottom Layer "NONET_L-01_P-001" (solid, remove dead copper, pour order 91): 25,1639.17 25,1100 75,1050 1090,1050 1115,1075 1115,1510 945,1680 65.83,1680
NetBAT1_1- on Bottom Layer "NETBAT1_1-_L04_P014" (solid, remove dead copper, pour order 14): 3050,1325 3050,495 ccw(c3080,495) 3080,465 3145,465 ccw(c3145,495) 3175,495 3175,1330 ccw(c3145,1330) 3145,1360 3085,1360 ccw(c3085,1325)
PWR_3V3_AFE on Bottom Layer "PWR_3V3_AFE_L04_P044" (solid, remove dead copper, pour order 44): 3350,3425 3349.67,3424.67 2979.67,3424.67 2960,3405 2960,3275 2980,3255 3355,3255 3375,3275 3375,3400
PWR_BU_OR on Bottom Layer "PWR_BU_OR_L04_P026" (solid, remove dead copper, pour order 26): 577.86,1447.14 317.14,1447.14 303.16,1433.16 303.16,1201.84 310,1195 450,1195 460,1205 460,1350 475,1365 580,1365 595,1380 595,1430
GND on Layer 1 "GND_L02_P095" (solid, remove dead copper, pour order 95): 0,196.85 0,3740.16 cw(c196.85,3740.16) 196.85,3937.01 3740.16,3937.01 cw(c3740.16,3740.16) 3937.01,3740.16 3937.01,196.85 cw(c3740.16,196.85) 3740.16,0 196.85,0 cw(c196.85,196.85)
no net on Layer 1 "NONET_L02_P092" (solid, remove dead copper, pour order 92): 15495,3011.85 15495,6555.16 cw(c15691.85,6555.16) 15691.85,6752.01 19235.16,6752.01 cw(c19235.16,6555.16) 19432.01,6555.16 19432.01,3011.85 cw(c19235.16,3011.85) 19235.16,2815 15691.85,2815 cw(c15691.85,3011.85)
no net on Layer 1 "NONET_L02_P070" (solid, remove dead copper, pour order 70): 15495,3011.85 15495,6555.16 cw(c15691.85,6555.16) 15691.85,6752.01 19235.16,6752.01 cw(c19235.16,6555.16) 19432.01,6555.16 19432.01,3011.85 cw(c19235.16,3011.85) 19235.16,2815 15691.85,2815 cw(c15691.85,3011.85)

## Other copper
Top Layer:
  region net PWR_MAIN_SYS: 180,1880 220,1840 415,1840 445,1870 645,1870 670,1845 670,1645 695,1620 1025,1620 1035,1630 1035,1650 1025,1660 925,1660 885,1700 825,1700 795,1730 795,1790 805,1800 825,1800 835,1810 835,1860 825,1870 775,1870 675,1970 455,1970 375,1970 295,1970 255,2010 255,2080 230,2105 75,2105 55,2085 55,2010 75,1990 165,1990 180,1975
  region net PWR_MAIN_SYS: 430,1365 400,1395 400,1530 415,1545 715,1545 735,1525 735,1450 755,1430 860,1430 870,1420 870,1400 860,1390 700,1390 675,1415 675,1480 655,1500 545,1500 520,1475 520,1390 495,1365
  region net PWR_BU_IN: 215,875 160,875 140,855 140,490 155,475 285,475 300,490 300,595 285,610 250,610 235,625 235,855
  region net PWR_MAIN: 1170,2225 1185,2240 1185,2315 1170,2330 1095,2330 1070,2355 1070,2530 1010,2590 880,2590 840,2630 840,2770 790,2820 370,2820 330,2780 330,2300 330,2100 350,2080 460,2080 480,2100 480,2150 500,2170 760,2170 780,2190 890,2190 920,2160 1050,2160 1070,2180 1070,2210 1085,2225
  region net PWR_MAIN: 50,1185 165,1185 175,1195 175,1410 160,1425 160,1620 50,1620
  region net PWR_BU: 410,375 545,375 560,390 560,530 600,570 600,705 640,745 640,1045 620,1065 555,1065 545,1075 545,1105 525,1125 265,1125 245,1105 245,725 260,710 315,710 330,725 460,725 485,700 485,635 395,545 395,390
  region net PWR_MAIN_OR: 260,1430 240,1410 190,1410 170,1430 170,1630 190,1650 590,1650 610,1630 610,1575 595,1560 280,1560 260,1540
  region net PWR_BU: 545,1860 535,1850 535,1680 545,1670 650,1670 660,1680 660,1835 635,1860
  region net PWR_BU_OR: 365,1370 315,1370 305,1360 305,1155 325,1135 535,1135 545,1145 545,1190 505,1230 440,1230 380,1290 380,1355
  region net PWR_BU: 555,1315 555,1245 615,1185 750,1185 770,1205 770,1275 755,1290 700,1290 685,1305 685,1315 670,1330 570,1330
  region net PWR_MAIN_R: 300,2300 221,2300 157.73,2236.73 96.73,2236.73 80,2220 80,2135 100,2115 295,2115 310,2130 310,2290

## Silkscreen, mask and mechanical layers (free items; w line width, h text height)
Top Overlay:
  drawing of 97 lines, arcs and shapes, not listed
  text "Optical Communication Board" at 595,3803.33 h70
  text "Rev 1p0" at 1757,3730.33 h40
  text "8" at 2042,3542 h40
  text "7" at 2307,3537 h40
  text "2" at 2042,3237 h40
  text "J2_RX" at 1252,3203.66 h40
  text "RX_OA" at 1792,3178.66 h40
  text "RX_REA" at 1502,3173.66 h40
  text "RX_REF" at 1502,3068.66 h40
  text "RX_OD" at 1792,3063.66 h40
  text "SWO" at 2543,2902 h40 r90
  text "GND" at 2338,2897 h40 r90
  text "RST" at 2443,2897 h40 r90
  text "8MHz" at 1212,2737 h40
  text "BOOT0" at 1992,2647 h40
  text "SWDI" at 2738,2622 h40 r90
  text "SWCK" at 2633,2617 h40 r90
  text "TX_RE" at 3307,1988.66 h40
  text "ISENSE" at 3017,1987 h40
  text "TX_DA" at 3307,1913.66 h40
  text "VSENSE" at 3017,1902 h40
  text "J1_TX" at 3542.84,1886.44 h40
  text "32.786KHz" at 2382,1488 h40 r270
  text "8" at 2532,1337 h40
  text "BOT1" at 1867,1262 h40
  text "2" at 2532,1032 h40
  text "12MHz" at 2387,767 h40
  text "GN" at 2197,723 h40 r270
  text "RXD" at 2267,723 h40 r270
  text "GN" at 2337,723 h40 r270
  text "TXD" at 2412,723 h40 r270
  text "UART_CON" at 2182,533.66 h40
  text "GND" at 432,248 h40 r270
  text "RST" at 532,248 h40 r270
  text "SWO" at 632,248 h40 r270
  text "SWCK" at 732,248 h40 r270
  text "SWDI" at 817,248 h40 r270
  text "3V3" at 906.44,247.23 h40 r270
  text "GN" at 2262,158 h40 r270
  text "SDA" at 2332,158 h40 r270
  text "3V3" at 2402,158 h40 r270
  text "SCL" at 2477,158 h40 r270
  text "DEBUG J5" at 997,92 h40
  text "I2C" at 2557,32 h40
Bottom Overlay:
  region: 2302.5,3277.5 2302.5,3247.5 2287.5,3262.5
  text "https://github.com/nguyenkduy28/vlc-system-project.git" at 2315,3816.66 h50
  text "Designed By Duy Nguyen" at 1048,3705.33 h40
  text "7" at 2318,3552 h40
  text "8" at 2078,3547 h40
  text "2" at 2083,3247 h40
  text "6" at 2333,2742 h40
  text "3" at 2633,2742 h40

## Text inside footprints (layer, text, board x,y; h text height)
U1: Top Overlay "100" at 1642,2572 h40; Top Overlay "76" at 2227,2572 h50; Top Overlay "75" at 2397,2357 h40; Top Overlay "51" at 2392,1967 h50; Top Overlay "50" at 2302,1802 h50; Top Overlay "26" at 1687,1797 h40; Top Overlay "25" at 1602,1847 h40
U18: Mechanical 13 "PCB EDGE" at 2091.54,21.42 h32
VBAT1: Bottom Overlay "+" at 1446.28,2299.12 h50